# Altium PCB pinghengche.PcbDoc
Units mil, origin at the board's own origin, x right, y up, seen from the top; angles counter-clockwise.
Board outline 3905.7 x 3150.48 mil, 2 copper layers (Top Layer, Bottom Layer); 71 components, 57 nets, 253 pads, 395 vias.
Unrouted connection lines stored in the file: 54.
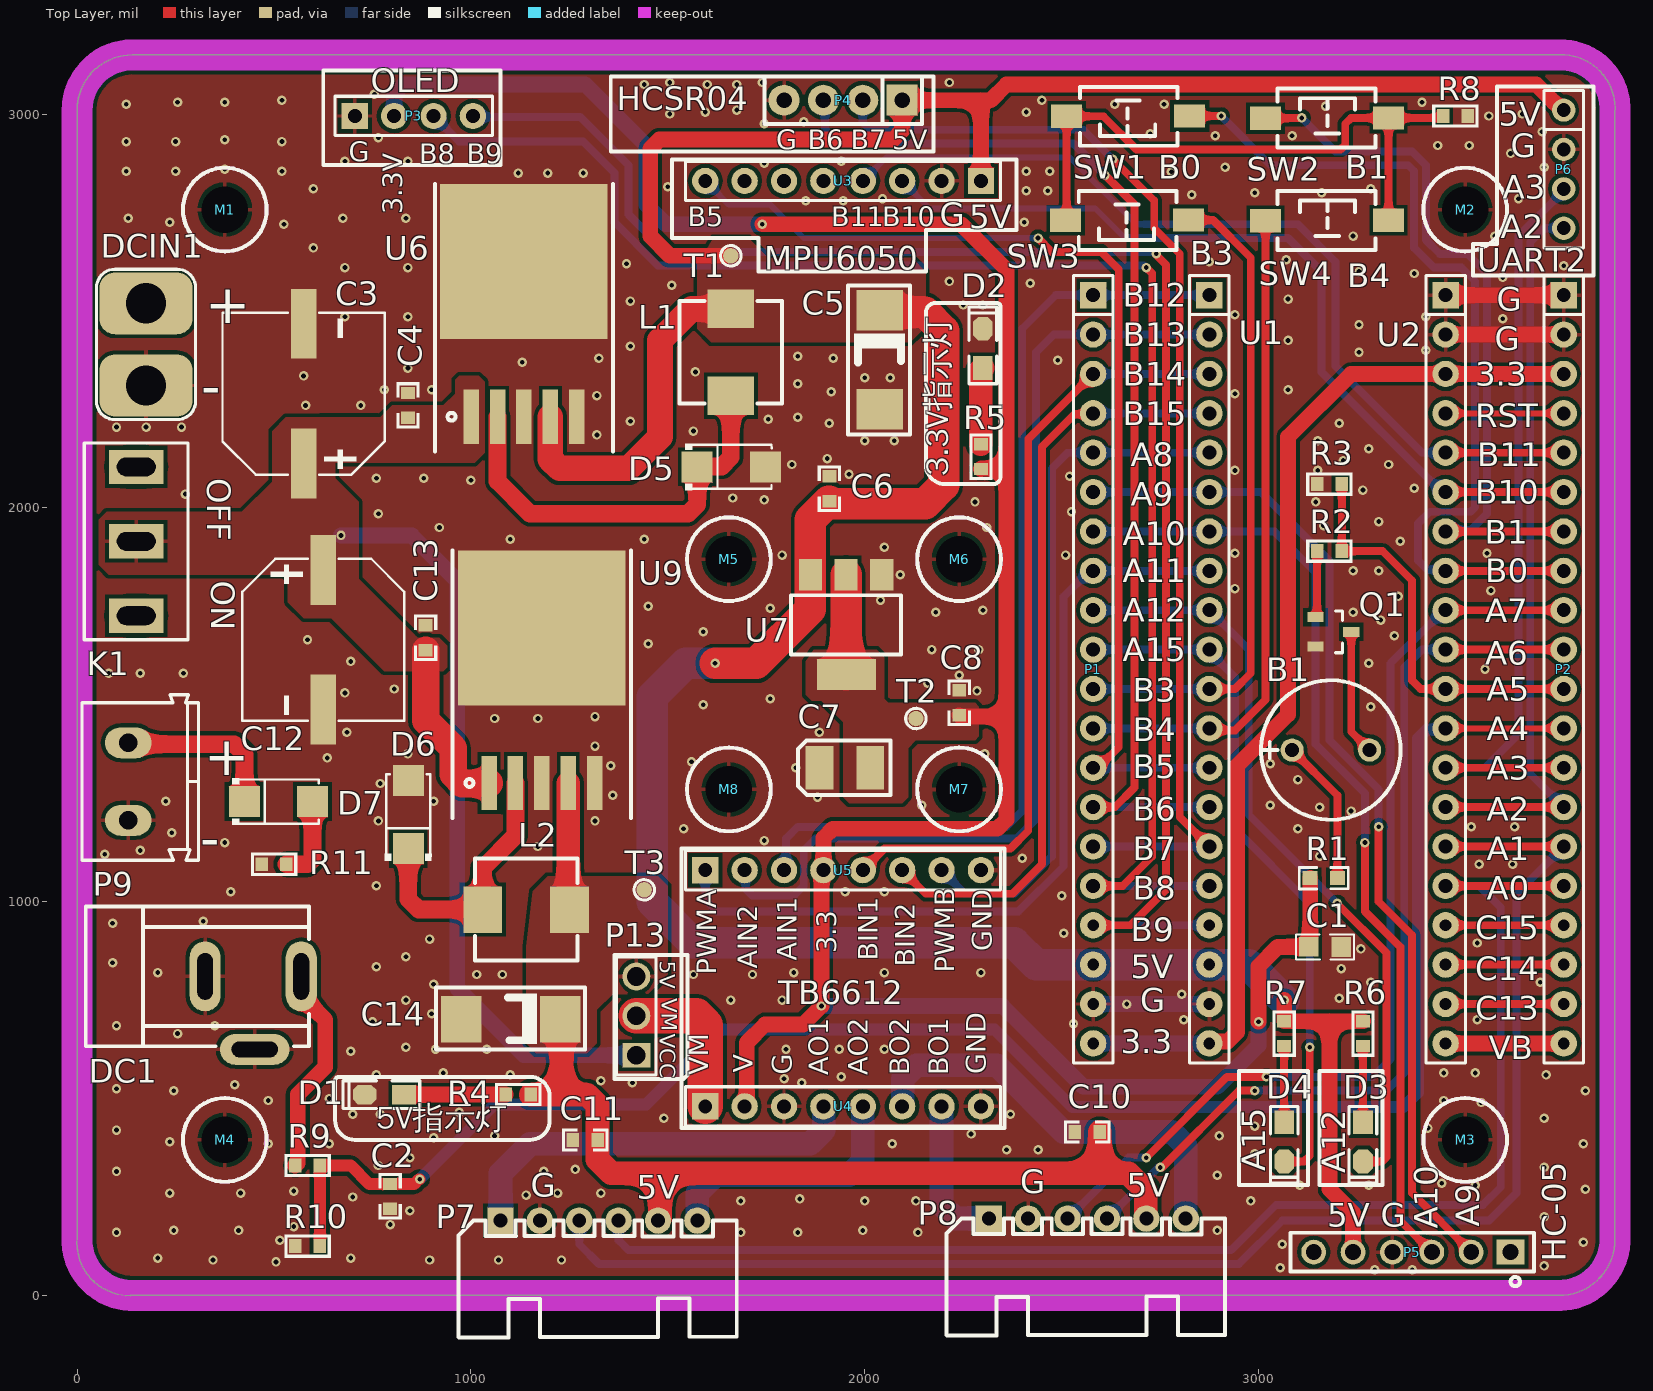
[diagram p0: Top Layer view]
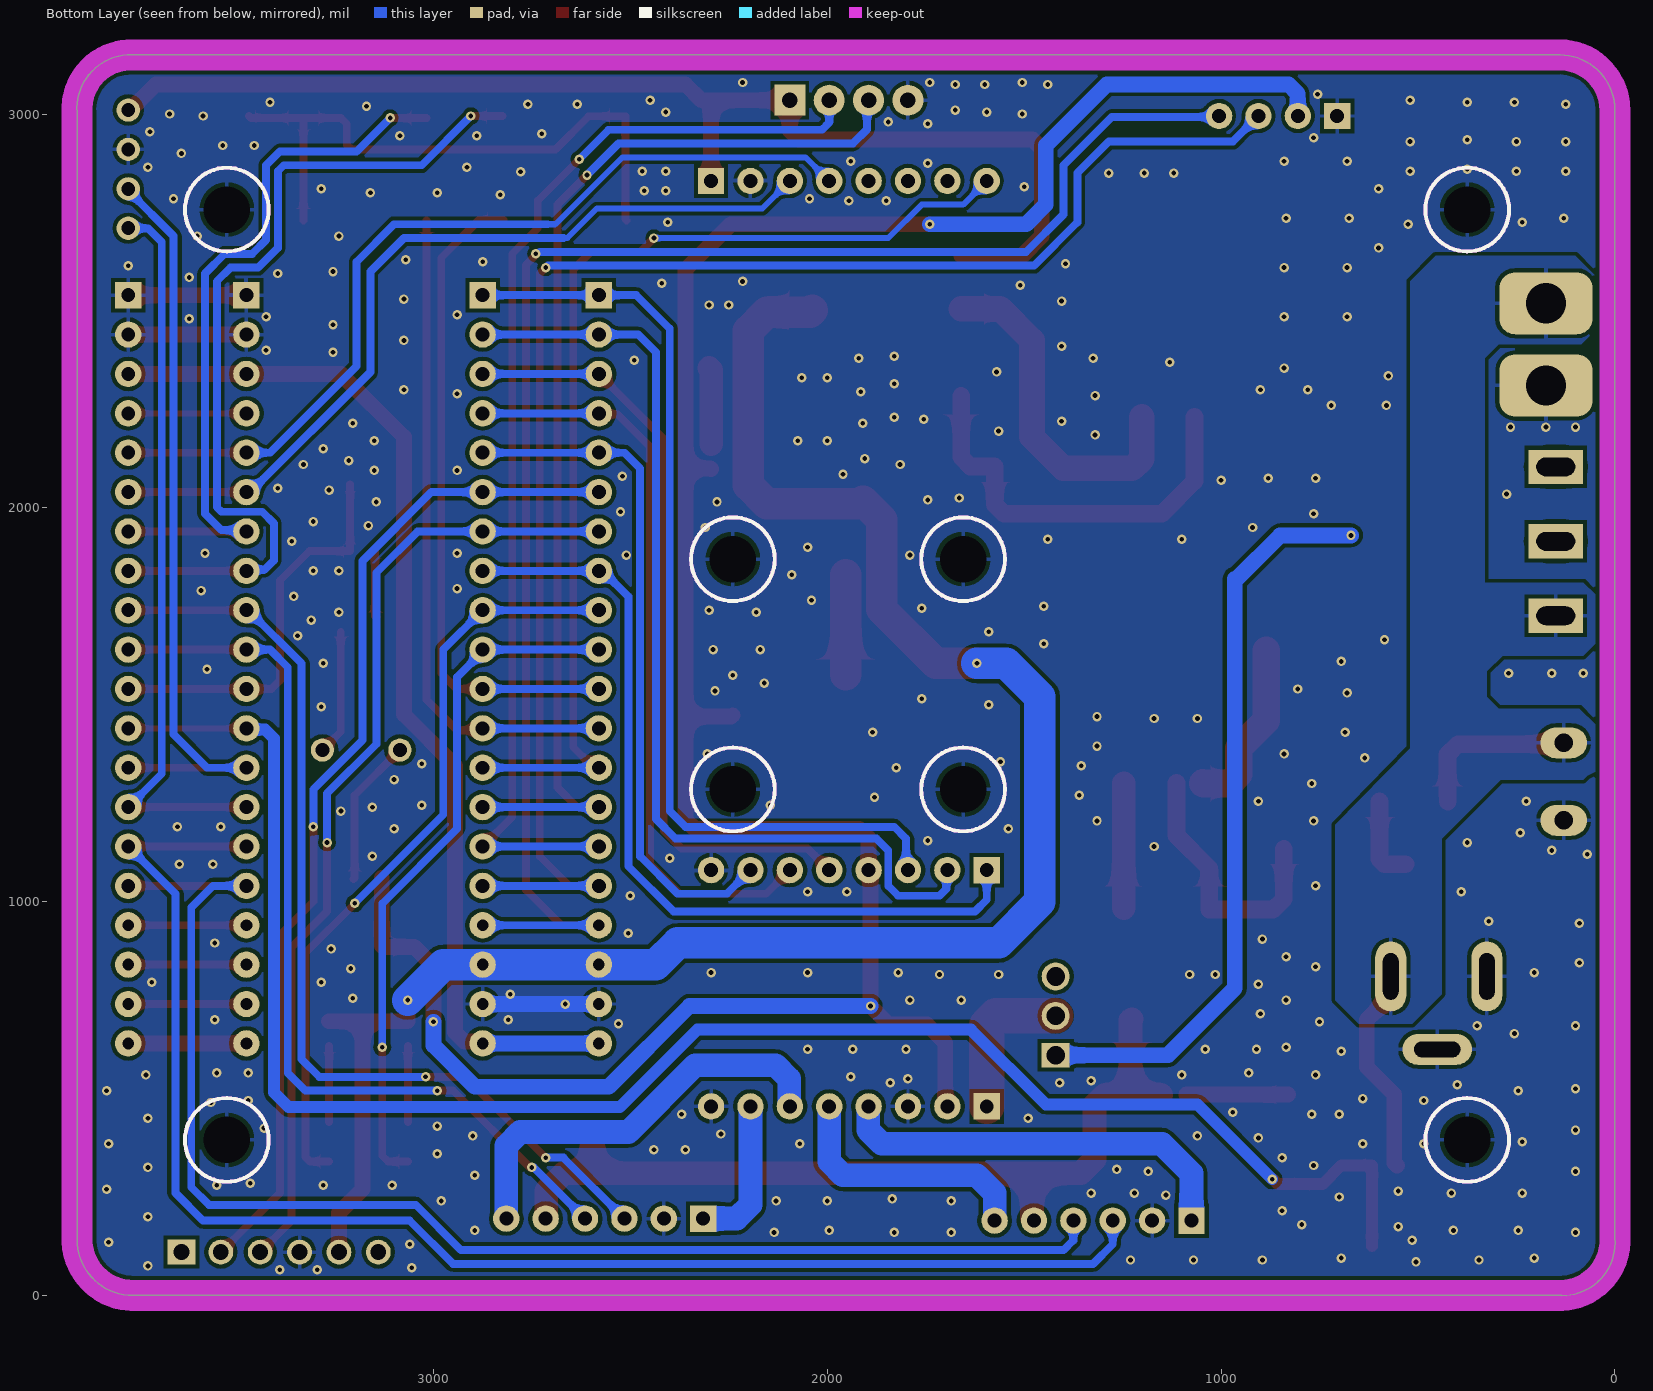
[diagram p1: Bottom Layer view, seen from below]

## Layer stack, top to bottom
Top Solder: solder mask 0.4, Solder Resist, Dk 3.5
Top Layer: signal copper 1.4
Dielectric 1: dielectric 12.6, FR-4, Dk 4.8
Bottom Layer: signal copper 1.4
Bottom Solder: solder mask 0.4, Solder Resist, Dk 3.5

## Board outline
0,145 0,3010 cw(c139.64,3010.36) 139.28,3150 3777.4,3150 cw(c3768.7,3013.7) 3905,3005 3905,142.2 cw(c3763.15,141.85) 3763.51,0 135,0 135.01,-0.48 cw(c133.6,133.6)

## Design rules (kind name [scope] priority, off if disabled: settings)
Clearance [All] p1: gap=6 ignorepadtopadclearanceinfootprint=TRUE except(8: Arc-Arc Arc-Track Track-Track; 10: Arc-Fill Arc-Poly Arc-Region Track-Fill Track-Poly Track-Region SMDPad-Fill SMDPad-Poly SMDPad-Region THPad-Fill THPad-Poly THPad-Region Via-Fill Via-Poly Via-Region Fill-Fill Fill-Poly Fill-Region Poly-Poly Poly-Region Region-Region)
HoleSize [All] p1: absolutevalues=TRUE maxlimit=300 minlimit=1 maxpercent=80.000 minpercent=20.000
PlaneConnect [All] p1: pad.planeconnectstyle=Relief pad.reliefexpansion=20 pad.reliefentries=4 pad.reliefconductorwidth=10 pad.reliefairgap=10 via.planeconnectstyle=Direct via.reliefexpansion=20 via.reliefentries=4 via.reliefconductorwidth=10 via.reliefairgap=10
PolygonConnect [All] p1: thpad.connectstyle=Relief thpad.reliefconductorwidth=10 thpad.reliefentries=4 thpad.polygonreliefangle="90 Angle" thpad.airgapwidth=10 smdpad.connectstyle=Direct smdpad.reliefconductorwidth=10 smdpad.reliefentries=4 smdpad.polygonreliefangle="90 Angle" smdpad.airgapwidth=10 via.connectstyle=Direct via.reliefconductorwidth=10 via.reliefentries=4 via.polygonreliefangle="90 Angle" via.airgapwidth=10
RoutingVias [All] p1: holewidth=12 width=24 viastyle="Through Hole" minholewidth=12 minwidth=24 maxholewidth=12 maxwidth=24
SolderMaskExpansion [All] p1: expansion=4 istentingtop=FALSE
Width PWR [InNetClass('PWR')] p1: maxlimit=120 minlimit=40 preferedwidth=45
Width [All] p2: maxlimit=60 minlimit=15 preferedwidth=20
28 further rules are at their usual default settings.

## Classes and differential pairs
net class PWR: 3.3V AO1 AO2 BO1 BO2 GND VBAT VCC VCC_3.3V VCC_5V VCC_5V_EXT VCCBAT VM

## Components (designator, comment, footprint, x,y, rotation, side; value= is the part's Value field where it differs from the comment)
B1 "BEEP" "BEEP 9x5.5mm" 3183.43,1385 r0 top
C1 "1uF" C0805 3216,885 r180 top
C2 "104P" CAPC1608[0603]S-L 795,251.5 r270 top
C3 "Cap Pol1" CAP-SMD_BD10.0-L10.3-W10.3-LS11.3-FD 575,2290 r90 top value="220uF 50V"
C4 "Cap" CAPC1608[0603]S-L 840,2260 r90 top value=0.1uF
C5 "Cap Pol1" 7343 2035,2260 r270 top value="220uF 10V"
C6 "Cap" CAPC1608[0603]S-L 1910,2048.5 r90 top value=0.1uF
C7 "Cap Pol1" C3528 1949.5,1340 r0 top value="22uF 10V"
C8 "Cap" CAPC1608[0603]S-L 2240,1505 r90 top value=0.1uF
C10 "104P" CAPC1608[0603]S-L 2565,415 r0 top
C11 "104P" CAPC1608[0603]S-L 1290,395 r0 top
C12 "Cap Pol1" CAP-SMD_BD10.0-L10.3-W10.3-LS11.3-FD 625,1665 r270 top value="220uF 50V"
C13 "Cap" CAPC1608[0603]S-L 885,1670 r90 top value=0.1uF
C14 "Cap Pol1" 7343 985,705 r180 top value="220uF 10V"
D1 "LED" "LED 0805G" 780,510 r180 top
D2 "LED" "LED 0805G" 2300,2405 r90 top
D3 "LED" "LED 0805G" 3265,390 r270 top
D4 "LED" "LED 0805G" 3065,390 r270 top
D5 "DIODE" SS34 1660,2095 r0 top
D6 "DIODE" SS34 850,1220 r90 top
D7 "DIODE" SS34 510,1245 r0 top
DC1 "HC-DC-005-2.5M" DC-005 325,810 r180 top
DCIN1 "T型插头" "Wired T-Header ThroughHole" 175,2415 r0 top
K1 "HX SS12D10G4" SS12D10 150,1915 r270 top
L1 "33uH" "0630 TPC 7*7*3" 1660,2395 r90 top
L2 "33uH" "0630 TPC 7*7*3" 1140.24,980 r0 top
M1 "MountHole" M3-MountHole 375,2757.2 r0 top
M2 "MountHole" M3-MountHole 3524.61,2757.2 r0 top
M3 "MountHole" M3-MountHole 3524.61,395 r0 top
M4 "MountHole" M3-MountHole 375,395 r0 top
M5 "MountHole" M3-MountHole 1655,1869.65 r0 top
M6 "MountHole" M3-MountHole 2239.65,1869.65 r0 top
M7 "MountHole" M3-MountHole 2239.65,1285 r0 top
M8 "MountHole" M3-MountHole 1655,1285 r0 top
P1 "MHDR1X20" HDR2.54-LI-20P 2580,1590 r270 top
P2 "MHDR1X20" HDR2.54-LI-20P 3775,1590 r270 top
P3 "OLED" OLED4p 855,2995 r0 top
P4 "HC-SR04" HC-SR04 1949,3039 r0 top
P5 "HC-05" HDR-TH_6P-P2.54-V-F 3390,110 r180 top
P6 "Header 4" HDR1X4-M 3775,3010 r270 top
P7 "MHDR1X6" XH2.54-WI-6P 1325,190 r0 top
P8 "MHDR1X6" XH2.54-WI-6P 2565,195 r0 top
P9 "KF/WJ/DG 30x connecter" "KF/WJ/DG 301-2p-5.0mm" 130,1305 r270 top
P13 "Header 3" HDR-TH_3P-P2.54-V-M-1 1420,710 r90 top
Q1 "S8050" SOT-23 3190,1685 r0 top
R1 "10R ±1%" R0603 3131,1060 r0 top value=10R
R2 "4.7K ±1%" RESC1608[0603]S-L 3180,1890 r180 top value=4.7K
R3 "10K ±1%" RESC1608[0603]S-L 3180,2060 r180 top value=10K
R4 "10K ±1%" RESC1608[0603]S-L 1120,510 r0 top value=10K
R5 "4.7K ±1%" RESC1608[0603]S-L 2295,2130 r270 top value=4.7K
R6 "10K ±1%" RESC1608[0603]S-L 3265,665 r90 top value=10K
R7 "10K ±1%" RESC1608[0603]S-L 3065,665 r90 top value=10K
R8 "10K ±1%" RESC1608[0603]S-L 3500,2995 r180 top value=10K
R9 "10K" RESC1608[0603]S-L 585,330 r180 top
R10 "4.7K" RESC1608[0603]S-L 585,125 r0 top
R11 "10K" RESC1608[0603]S-L 500,1095 r180 top
SW1 "SW-PB_V" "TSW SMD-3*6*2.5" 2667.69,2994.21 r180 top
SW2 "SW-PB_V" "TSW SMD-3*6*2.5" 3175,2990 r0 top
SW3 "SW-PB_V" "TSW SMD-3*6*2.5" 2665,2730 r180 top
SW4 "SW-PB_V" "TSW SMD-3*6*2.5" 3175,2730 r0 top
T1 "Testpoint-Pad" testpoint-pad-1mm 1660,2640 r0 top
T2 "Testpoint-Pad" testpoint-pad-1mm 2130,1465 r0 top
T3 "Testpoint-Pad" testpoint-pad-1mm 1440,1030 r0 top
U1 "C8T6-1" HDR2.54-M-LI-20P 2875,1590 r270 top
U2 "C8T6-2" HDR2.54-M-LI-20P 3475,1590 r270 top
U3 "MPU6050" HDR2.54-M-LI-8P 1945,2830 r180 top
U4 "TB6612FNG" HDR2.54-M-LI-8P 1945,480 r0 top
U5 "TB6612FNG_2" HDR2.54-M-LI-8P 1945,1080 r0 top
U6 "LM2596t-5v" LM2596-5V 995,2310 r0 top
U7 "AMS1117_3V3" SOT-223 1955,1700 r180 top
U9 "LM2596t-5v" LM2596-5V 1040.37,1379.83 r0 top

## Footprints (in the part's own frame and the unit in brackets; to place one, negate y for a bottom-side part, rotate by r counter-clockwise, add the part's x,y. Pads: shape width x height; smd on the part's side, far side on the other; paste and mask are expansions set on the pad)
"0630 TPC 7*7*3" [mm]
  rect 2.5x3 smd: 1(-2.8,0) 2(2.8,0)
  silkscreen extent -3.3,-3.3 3.3,3.3, body extent -3.3,-3.3 3.3,3.3, height 3
7343 [mm] "钽电容"
  rect 2.6x3 smd: 1(-6.148,0.083) 2(0.252,0.083)
  silkscreen extent -7.75,-1.96 1.88,2.04, body extent -6.62,-2.11 0.68,2.19, height 2
"BEEP 9x5.5mm" [mm]
  round 1.5 hole 0.9: 1(-2.5,0) 2(2.5,0)
  silkscreen extent -4.5,-4.5 4.5,4.5, body extent -4.8,-4.8 4.8,4.8, height 5.05
C0805 [mil]
  rect 50x50 smd: 1(6,0) 2(88.7,-0.1)
  silkscreen extent -26,-32 121,32, body extent 8,-24 87,25, height 30
C3528 [mil] "B型"
  rect 70.87x110 smd: 1(64.5,0) 2(-64.5,0)
  silkscreen extent -119,-69 116,69, body extent -69,-55 69,55, height 75
CAP-SMD_BD10.0-L10.3-W10.3-LS11.3-FD [mm]
  rect 4.5x1.65 smd: 1(-4.5,0) 2(4.5,0)
  silkscreen extent -5.23,-5.23 5.23,5.23
CAPC1608[0603]S-L [mm]
  rect 0.8x0.9 smd: 1(-0.8,0) 2(0.8,0)
  silkscreen extent -1.5,-0.75 1.5,0.75, body extent -0.8,-0.41 0.8,0.41, height 0.79
DC-005 [mm] "DC母座5.5mm"
  oval 2x4.5 hole 1 slot 3 at 90 deg: 1(-6.2,0) 2(0,0)
  oval 4.5x2 hole 1 slot 3 at 0 deg: 3(-3.2,4.7)
  silkscreen extent -6.7,-4.5 7.7,4.5, body extent -6.55,-4.5 7.5,4.8, height 11.25
HC-SR04 [mm] "超声波模块"
  rect 2x2 hole 1: 1(3.708,-0.102)
  round 2 hole 1: 2(1.168,-0.102) 3(-1.372,-0.102) 4(-3.912,-0.102)
  silkscreen extent -5.18,-1.63 4.98,1.42, body extent -22.35,-1.42 22.65,17.48, height 2.1
HDR1X4-M [mm]
  round 1.5 hole 0.9: 1(0,0) 2(2.54,0) 3(5.08,0) 4(7.62,0)
  silkscreen extent -1.27,-1.27 8.89,1.27, body extent -1.27,-1.27 8.89,1.27, height 8.54
HDR2.54-LI-20P [mm] "排针，20脚"
  rect 1.7x1.7 hole 0.9: 1(-24.13,0)
  round 1.7 hole 0.9: 2(-21.59,0) 3(-19.05,0) 4(-16.51,0) 5(-13.97,0) 6(-11.43,0) 7(-8.89,0) 8(-6.35,0) 9(-3.81,0) 10(-1.27,0) 11(1.27,0) 12(3.81,0) 13(6.35,0) 14(8.89,0) 15(11.43,0) 16(13.97,0)
  round 1.7 hole 0.762: 17(16.51,0) 18(19.05,0) 19(21.59,0) 20(24.13,0)
  silkscreen extent -25.4,-1.27 25.4,1.27, body extent -25.4,-1.27 25.4,1.27, height 2.54
HDR2.54-M-LI-8P [mm] "排母，8脚"
  rect 1.7x1.7 hole 0.9: 1(-8.89,0)
  round 1.7 hole 0.9: 2(-6.35,0) 3(-3.81,0) 4(-1.27,0) 5(1.27,0) 6(3.81,0) 7(6.35,0) 8(8.89,0)
  silkscreen extent -10.16,-1.27 10.16,1.27, body extent -10.16,-1.27 10.16,1.27, height 8.5
HDR2.54-M-LI-20P [mm] "排母，20脚"
  rect 1.7x1.7 hole 0.9: 1(-24.13,0)
  round 1.7 hole 0.9: 2(-21.59,0) 3(-19.05,0) 4(-16.51,0) 5(-13.97,0) 6(-11.43,0) 7(-8.89,0) 8(-6.35,0) 9(-3.81,0) 10(-1.27,0) 11(1.27,0) 12(3.81,0) 13(6.35,0) 14(8.89,0) 15(11.43,0) 16(13.97,0)
  round 1.7 hole 0.762: 17(16.51,0) 18(19.05,0) 19(21.59,0) 20(24.13,0)
  silkscreen extent -25.4,-1.27 25.4,1.27, body extent -25.4,-1.27 25.4,1.27, height 8.5
HDR-TH_3P-P2.54-V-M-1 [mm]
  rect 1.575x1.8 hole 1.2: 1(-2.54,0)
  round 1.8 hole 1.2: 2(0,0) 3(2.54,0)
  silkscreen extent -3.81,-1.27 3.81,1.27
HDR-TH_6P-P2.54-V-F [mm]
  rect 1.8x1.6 hole 1.02: 1(-6.35,0)
  round 1.6 hole 1.02: 2(-3.81,0) 3(-1.27,0) 4(1.27,0) 5(3.81,0) 6(6.35,0)
  silkscreen extent -7.85,-1.25 7.85,2.2
"KF/WJ/DG 301-2p-5.0mm" [mm]
  oval 2x3 hole 1.2: 1(2.5,0) 2(-2.5,0)
  silkscreen extent -5.6,-3 5.08,4.52, body extent -5.6,-3 5,4.6, height 10
"LED 0805G" [mil] "绿色0805LED"
  rect 60x50 smd: 1(-50,0)
  oct 60x50 smd: 2(50,0)
  silkscreen extent -90,-35 105,35, body extent -39,-25 39,25, height 32
LM2596-5V [mm]
  rect 1x3.5 smd: 1(0.147,-1.995) 2(1.847,-1.995) 3(3.547,-1.995) 4(5.247,-1.995) 5(6.947,-1.995)
  rect 10.8x10 smd: 6(3.547,8.005)
  silkscreen extent -2.2,-4.24 9.3,13.01, body extent -1.53,-2.24 8.63,11.77, height 4.56
M3-MountHole [mm]
  rect 0x0 hole 3 unplated: 1(0,0)
  Keep-Out Layer circle w0.254: c0,0 r2.7
  silkscreen extent -2.7,-2.7 2.7,2.7
OLED4p [mm] "排母，4脚"
  rect 1.7x1.7 hole 0.9: 1(-3.81,0)
  round 1.7 hole 0.9: 2(-1.27,0) 3(1.27,0) 4(3.81,0)
  silkscreen extent -5.08,-1.27 5.08,1.27, body extent -13.35,-26.84 13.35,1.27, height 10.47
R0603 [mil] "1/10W"
  rect 38x35 smd: 1(0,0) 2(69,0)
  silkscreen extent -28,-28 97,27, body extent 4,-16 66,16, height 18
RESC1608[0603]S-L [mm]
  rect 0.8x0.9 smd: 1(-0.8,0) 2(0.8,0)
  silkscreen extent -1.5,-0.75 1.5,0.75, body extent -0.8,-0.4 0.8,0.4, height 0.45
SOT-23 [mm]
  rect 1.05x0.65 smd: 1(-1.15,0.95) 2(-1.15,-0.95) 3(1.15,0)
  silkscreen extent 0.13,-1.35 0.58,1.35, body extent -1.4,-1.45 1.4,1.45, height 1.2
SOT-223 [mil]
  rect 59x79 smd: 1(-88,-130) 2(2.55,-130) 3(93.1,-130)
  rect 150x79 smd: 2(1.88,123.54)
  silkscreen extent -137,-78 143,72, body extent -126,-139 130,135, height 67
SS12D10 [mm]
  rect 2.2x3.5 hole 2.5 slot 1.2 at 0 deg mask+0.07: 1(-4.8,0) 2(0,0) 3(4.8,0)
  silkscreen extent -6.35,-3.35 6.35,3.35, body extent -6.4,-3.3 6.35,3.8, height 12.5
SS34 [mm]
  rect 2x2 smd mask+0.051: 1(2.225,0.233) 2(-2.175,0.233)
  silkscreen extent -2.96,-1.27 2.63,1.73
testpoint-pad-1mm [mm]
  round 1 smd: 1(0,0)
  silkscreen extent -0.66,-0.66 0.66,0.66
"TSW SMD-3*6*2.5" [mm] "3*6*2.5mm"
  rect 2x1.5 smd: 1(-3.996,-0.02) 2(3.937,0)
  silkscreen extent -3.21,-1.9 3.09,1.9, body extent -4,-1.88 4,1.62, height 2.59
"Wired T-Header ThroughHole" [mm]
  rrect50% 6x4 hole 2.6: 1(0,2.65) 2(0,-2.65)
  silkscreen extent -3.2,-4.85 3.2,4.85
XH2.54-WI-6P [mm] "接插件，6P"
  rect 1.7x1.7 hole 0.9: 1(-6.35,0)
  round 1.7 hole 0.9: 2(-3.81,0) 3(-1.27,0) 4(1.27,0) 5(3.81,0) 6(6.35,0)
  silkscreen extent -9.07,-7.53 8.89,0, body extent -8.86,-7.45 8.84,0.25, height 2.89

## Part data
B1: "蜂鸣器"
C1: library part "1uF 080516V X7R", "贴片电容0805", Revision=V1.0
C2 C10 C11: library part C, "0.1uf 贴片电容/MLCC电容", BOM名称=无极性贴片电容, 联系卖家，免费查找封装=唯一出售店铺网址https://shop463601444.taobao.com
C3 C5 C7 C12 C14: "Polarized Capacitor (Radial)", LatestRevisionDate=17-Jul-2002, LatestRevisionNote="Re-released for DXP Platform.", PackageReference=RB7.6-15, Published=8-Jun-2000, Publisher="Altium Limited"
C4 C6 C8 C13: "Capacitor", LatestRevisionDate=17-Jul-2002, LatestRevisionNote="Re-released for DXP Platform.", PackageReference=RAD-0.3, Published=8-Jun-2000, Publisher="Altium Limited"
D1 D2 D3 D4: "0805"
DC1: JLCPCB Part Class=ExtendedPart, Manufacturer=HCTL(华灿天禄), 3DModel=DC-IN-TH_KH-DC-005-2.5, Add into BOM=yes, Convert to PCB=yes, Device=HC-DC-005-2.5M, link=https://atta.szlcsc.com/upload/public/pdf/source/20210716/C2847170_7F0110A0BEDEE81C68B76DF87AC8DA16.pdf, Manufacturer Part=HC-DC-005-2.5M, Name=HC-DC-005-2.5M, Origin Footprint=DC-IN-TH_KH-DC-005-2.5, Supplier=LCSC, Supplier Part=C3010535, Symbol=HC-DC-005-2.5M
DCIN1: library part T_Header
K1: "单刀三档开关", JLCPCB Part Class="Extended Part", LCSC Part Name="拨动开关 立式两档拨动,单排3脚插件,12.7x6.7x6.4,黑柄4mm", Manufacturer=hanxia(韩下), Add into BOM=yes, Convert to PCB=yes, Datasheet=https://atta.szlcsc.com/upload/public/pdf/source/20220907/2020D7183ED16DD6E2B9F5A13FB144CF.pdf, Device="HX SS12D10G4", Manufacturer Part="HX SS12D10G4", Name="HX SS12D10G4", Supplier=LCSC, Supplier Footprint=插件, Supplier Part=C5149841, Symbol="HX SS12D10G4"
L1 L2: library part Inductor
M1 M2 M3 M4 M5 M6 M7 M8: "固定孔"
P1 P2: "Header, 20-Pin", LatestRevisionDate=17-Jul-2002, LatestRevisionNote="Re-released for DXP Platform.", Publisher="Altium Limited"
P3: library part 0.96OLED, "0.96寸OLED屏，GND开头"
P4: "超声波HC-SR04"
P5: "HC-05 这里只用到了其4个管脚"
P6: "Header, 4-Pin", LatestRevisionDate=17-Jul-2002, LatestRevisionNote="Re-released for DXP Platform.", Publisher="Altium Limited"
P7 P8: "Header, 6-Pin", LatestRevisionDate=17-Jul-2002, LatestRevisionNote="Re-released for DXP Platform.", Publisher="Altium Limited"
P9: library part "KF/WJ/DG 30x", "接线端子 2Pin"
P13: "Header, 3-Pin", LatestRevisionDate=17-Jul-2002, LatestRevisionNote="Re-released for DXP Platform.", Publisher="Altium Limited"
Q1: library part "NPN S8050", "Discrete NPN Bipolar Transistor", PartNumber=S8050, Price(RMB)=0.000, Published=8-Jun-2000, Publisher="Altium Limited", Revision="July-2002: Re-released for DXP Platform."
R1: library part Res-Chip_10, "贴片电阻", Tolerance=±1%, Published=8-Jun-2000, Revision="July-2002: Re-released for DXP Platform."
R2 R5: library part Res-Chip_9, "贴片电阻", Power=1/8W, Tolerance=±1%, Revision=V1.0
R3 R4 R6 R7 R8: library part Res-Chip, "贴片电阻", Power=1/8W, Tolerance=±1%, Revision=V1.0
R9 R10 R11: library part R, "贴片电阻", BOM名称=贴片电阻, 联系卖家，免费查找封装=唯一出售店铺网址https://shop463601444.taobao.com
SW1 SW2 SW3 SW4: "SWITCH"
T1 T2 T3: library part Testpoint-Pad-S, "测试点，就是个焊盘"
U1 U2: "stm32f103c8t6扩展接口"
U3: "MPU6050陀螺仪"
U4: library part TB6612FNG_1, "电机驱动", 联系卖家 免费查找封装=唯一出售店铺网址https://shop463601444.taobao.com
U6 U9: library part LM2596, "Simple Switcher 3A Step Down Voltage Regulator", Package Reference=TS5B, Datasheet="Latest Revision: Jun-1999", Note="Tab is connected to GND", Published=15-Apr-2002, Publisher="Altium Limited"
U7: library part AMS1117_1, "3.3V电压转换器AMS1117"

## Via types
v1: diameter 24, hole 12, Top Layer to Bottom Layer, tented both sides, 395 vias

## Nets (pads, with @x,y where several pads share a name; then routed paths per layer and width w, separated by ;. In a path a pad name is that pad's centre, name@x,y a point inside that pad or via, vN(x,y) a via of type N, cw(c..) or ccw(c..) an arc to the next point about the centre after c; other vN are vias at no path point)
3.3V: P1.20 P2.3 U1.20 U2.3 | length 2708.5
  Top Layer w40: U1.20 2880,645 2921.57,645 2945,668.43 2945,1345 3075,1475 3075,2180 3235,2340 U2.3 P2.3
  Bottom Layer w40: P1.20 U1.20
A0: P2.16 P7.4 U2.16 | length 3539.4
  Top Layer w20: U2.16 P2.16
  Bottom Layer w20: P7.4 1375,140 1400,115 2930,115 3045,230 3570,230 3615,275 3615,985 3560,1040 U2.16
A1: P2.15 P7.3 U2.15 | length 3765
  Top Layer w20: U2.15 P2.15
  Bottom Layer w20: P7.3 1275,130 1325,80 2950,80 3060,190 3585,190 3655,260 3655,1020 P2.15
A2: P2.14 P6.4 U2.14 | length 1869.7
  Top Layer w20: U2.14 P2.14
  Bottom Layer w20: P2.14 3690,1325 3690,2675 3725,2710 P6.4
A3: P2.13 P6.3 U2.13 | length 1952.8
  Top Layer w20: U2.13 P2.13
  Bottom Layer w20: U2.13 3575,1340 3660,1425 3660,2690 3775,2805 P6.3
A4: C2.1 P2.12 R9.1 R10.2 U2.12 | length 4552.1
  Top Layer w15: U2.12 P2.12
  Top Layer w30: R10.2 R9.1 695,330 742.01,282.99 C2.1 855.56,282.99 867.56,295 v1(870,295)
  Bottom Layer w30: v1(870,295) 1060,485 1445,485 1635,675 2330,675 2526.71,478.29 3367.7,478.29 3405,515.59 3405,1415 3427.02,1437.02 3472.02,1437.02 U2.12
A5: P2.11 R2.1 R3.1 U2.11 | length 1026.8
  Top Layer w20: R3.1 R2.1 3315,1890 3390,1815 3390,1561.72 3411.54,1540.18 3474.82,1540.18 U2.11 P2.11
A6: P2.10 P8.4 U2.10 | length 2361.9
  Top Layer w20: v1(2750,325) 2755,325 2950,520 v1(2990,520) ; U2.10 P2.10
  Bottom Layer w20: P8.4 2745,325 v1(2750,325) ; v1(2990,520) 3325,520 3370,565 3370,1595 3415,1640 U2.10
A7: P2.9 P8.3 U2.9 | length 2488.7
  Top Layer w20: v1(2715,350) 2920,555 v1(3020,555) ; U2.9 P2.9
  Bottom Layer w20: P8.3 2670,350 v1(2715,350) ; v1(3020,555) 3290,555 3335,600 3335,1605 3470,1740 U2.9
A8: P1.5 U1.5 U5.7 | length 1745.8
  Bottom Layer w20: U5.7 2255,1020 2380,1020 2475,1115 2475,2100 2515,2140 U1.5
A9: P1.6 P5.2 U1.6 | length 2576.7
  Top Layer w20: v1(3305,1190) 3305,1000 3390,915 3390,260 P5.2
  Bottom Layer w20: P1.6 U1.6 3005.24,2040 3180,1865.24 3180,1410 3305,1285 v1(3305,1190)
A10: P1.7 P5.3 U1.7 | length 2455.7
  Top Layer w20: v1(3270,1150) 3270,975 3360,885 3360,190 P5.3
  Bottom Layer w20: P1.7 U1.7 3040,1940 3145,1835 3145,1400 3270,1275 v1(3270,1150)
A11: P1.8 U1.8 U5.1 | length 2127
  Bottom Layer w20: U5.1 1595,1005 1625,975 2390,975 2505,1090 2505,1775 2570,1840 U1.8
A12: D3.2 P1.9 U1.9 | length 1934.5
  Top Layer w20: v1(3200,995.62) 3200,995 3325,870 3325,351.72 3313.28,340 D3.2
  Bottom Layer w20: P1.9 U1.9 2975,1640 2975,1220.62 v1(3200,995.62)
A15: D4.2 P1.10 U1.10 | length 1756.8
  Top Layer w20: D4.2 3115,340 3130,355 v1(3130,630)
  Bottom Layer w20: P1.10 U1.10 2875,1635 2940,1570 2940,1185 3130,995 v1(3130,630)
AO1: P7.1 U4.4 | length 1047.4
  Bottom Layer w60: P7.1 1075,310 1150,385 1861.18,385 1896.33,420.15 1896.33,478.67 U4.4
AO2: P7.6 U4.5 | length 663.1
  Bottom Layer w60: P7.6 1575,260 1620,305 1959.85,305 1995,340.15 U4.5
B0: P2.8 SW1.1 U2.8 | length 2223.1
  Top Layer w20: SW1.1 v1(2905,2995) ; U2.8 P2.8
  Bottom Layer w20: v1(2905,2995) 3030,2870 3380,2870 3395,2855 3395,2660 3445,2610 3515,2610 3550,2575 3550,2001.72 3538.28,1990 3435,1990 3405,1960 3405,1866.72 3428.48,1843.24 3471.76,1843.24 U2.8
B1: P2.7 SW2.1 U2.7 | length 1871.2
  Top Layer w20: SW2.1 3018.08,2989.61 3109.61,2989.61 v1(3110,2990) ; U2.7 P2.7
  Bottom Layer w20: v1(3110,2990) 3195,2905 3390,2905 3425,2870 3425,2680 3460,2645 3530,2645 3580,2595 3580,1985 3538.46,1943.46 3478.46,1943.46 U2.7
B3: P1.11 SW3.1 U1.11 | length 1668.9
  Top Layer w20: SW3.1 2884.21,2730.79 2980,2635 2980,1580 2940,1540 U1.11
  Bottom Layer w20: P1.11 U1.11
B4: P1.12 SW4.1 U1.12 | length 1688.5
  Top Layer w20: U1.12 2880,1435 2940,1435 3017.69,1512.69 SW4.1
  Bottom Layer w20: P1.12 U1.12
B5: P1.13 U1.13 U3.8 | length 2730.5
  Top Layer w20: v1(2440,2685) 2475,2650 2600,2650 2645,2605 2645,1392.3 2592.7,1340 P1.13
  Bottom Layer w15: U3.8@1600,2825 1655,2770 1760,2770 1845,2685 v1(2440,2685)
  Bottom Layer w20: P1.13 U1.13
B6: P1.14 P4.3 U1.14 | length 2841.5
  Top Layer w20: P1.14 2635,1240 2685,1290 2685,2770 v1(2610,2845)
  Bottom Layer w20: P4.3 1899.05,3030.95 1899.05,2960.95 1935,2925 2530,2925 v1(2610,2845) ; P1.14 U1.14
B7: P1.15 P4.2 U1.15 | length 2871.8
  Top Layer w20: v1(2630,2885) 2735,2780 2735,2710 2800,2645 2800,1215 U1.15
  Bottom Layer w20: P4.2 1995,2978.27 2001.55,2971.72 2013.27,2960 2555,2960 v1(2630,2885) ; P1.15 U1.15
B8: P1.16 P3.3 U1.16 | length 4020
  Top Layer w20: P1.16 2655,1040 2730,1115 2730,2595 v1(2715,2610)
  Bottom Layer w20: P3.3 970,2930 1285,2930 1365,2850 1365,2725 1475,2615 2708.92,2615 2713.92,2610 v1(2715,2610) ; P1.16 U1.16
B9: P1.17 P3.4 U1.17 | length 4083.8
  Top Layer w20: P1.17 2675,940 2765,1030 2765,2617.3 2742,2640.3 2742,2641.92 2740,2643.92 v1(2740,2645)
  Bottom Layer w20: P3.4 1007.5,2992.5 1277.5,2992.5 1400,2870 1400,2745 1495,2650 v1@2730,2650 ; P1.17 U1.17
B10: P2.6 U2.6 U3.3 | length 2156.6
  Top Layer w20: U2.6 P2.6
  Bottom Layer w15: U3.3 2165,2760 2585,2760 2660,2685 2670,2685
  Bottom Layer w20: 2670,2685 3075,2685 3160,2600 3160,2345 3465,2040 U2.6
B11: P2.5 U2.5 U3.4 | length 2278
  Top Layer w20: U2.5 P2.5
  Bottom Layer w15: U3.4 2055,2890 2520,2890 2690,2720 2710,2720
  Bottom Layer w20: U3.4@1989.85,2835.15 U3.4 ; 2710,2720 3100,2720 3195,2625 3195,2360 3415,2140 U2.5
B12: P1.1 U1.1 U5.3 | length 2446.3
  Bottom Layer w20: U5.3@1800,1085 1800,1160 1830,1190 2360,1190 2400,1230 2400,2455 2485,2540 P1.1 U1.1
  Bottom Layer w40: U5.3 U5.3@1800,1085
B13: P1.2 U1.2 U5.2 | length 2570.4
  Bottom Layer w20: U5.2 1697.38,1077.62 1697.38,1032.62 1715,1015 1820,1015 1845,1040 1845,1130 1875,1160 2385,1160 2435,1210 2435,2395 2480,2440 P1.2 U1.2
B14: P1.3 U1.3 U5.5 | length 1984.8
  Top Layer w20: U5.5 2050,1135 2370,1135 2415,1180 2415,2175 P1.3
  Bottom Layer w20: P1.3 U1.3
B15: P1.4 U1.4 U5.6 | length 1931.1
  Top Layer w20: U5.6 2155,1020 2375,1020 2450,1095 2450,2155 2532.62,2237.62 2577.62,2237.62 P1.4
  Bottom Layer w20: P1.4 U1.4
BO1: P8.1 U4.7 | length 384.4
  Bottom Layer w60: U4.7 2195,230.15 2230.15,195 P8.1
BO2: P8.6 U4.6 | length 1073.5
  Bottom Layer w60: U4.6 2096.33,481.33 2096.33,549.85 2131.47,585 2335,585 2505,415 2779.85,415 2815,379.85 P8.6
GND: C1.1 C2.2 C3.2 C4.2 C5.2 C6.2 C7.2 C8.2 C10.1 C11.1 C12.2 C13.2 C14.2 D1.2 D2.2 D5.1 D6.1 DC1.2 DC1.3 DCIN1.2 M1.1 M2.1 M3.1 M4.1 M5.1 M6.1 M7.1 M8.1 P1.19 P2.1 P2.2 P3.1 P4.4 P5.4 P6.2 P7.2 P8.2 P9.1 Q1.2 R3.2 R8.1 R10.1 R11.2 U1.19 U2.1 U2.2 U3.2 U4.3 U4.8 U5.8 U6.3 U6.5 U6.6 U7.1 U9.3 U9.5 U9.6 | length 895
  Top Layer w40: U2.2 P2.2 ; U2.1 P2.1
  Bottom Layer w40: P1.19 U1.19
  other v1: 3295,65 3390,65 3055,70 3725,75 505,85 345,90 895,90 1070,90 1230,90 205,95 695,95 3060,130 3825,135 515,140 100,160 1685,160 1830,160 2135,160 245,165 410,165 1995,165 2895,165 550,175 795,180 3725,200 845,215 1685,240 2000,240 2130,240 2980,240 1835,245 700,250 1140,255 235,260 415,260 1220,260 1330,260 550,265 3830,270 3105,280 3280,280 3550,280 3465,285 2895,305 100,315 1185,315 1265,320 3725,325 765,330 845,350 2990,360 2360,370 2440,370 485,385 640,385 2070,385 3825,385 235,390 905,400 1060,405 2900,405 2270,410 100,420 3430,425 2990,430 1490,450 3725,450 700,460 770,460 2370,460 970,465 3565,490 485,495 3470,495 640,500 245,520 3830,520 100,525 400,535 1410,540 1840,540 1330,545 1795,550 1940,555 760,560 1100,560 3730,560 930,565 3470,565 3550,565 695,620 910,625 1040,625 1800,625 1935,625 2050,625 835,630 255,665 100,685 350,685 2530,690 750,695 2810,700 3555,700 900,715 2665,740 835,750 1660,750 1790,750 3205,755 2805,765 905,790 3285,795 3715,795 1015,815 1080,815 1565,815 1715,815 205,820 1820,820 2050,820 2295,820 3210,830 760,835 90,845 835,860 3260,880 3555,895 895,905 2505,920 90,945 320,950 2500,1015 390,1025 1950,1025 2050,1025 760,1040 3560,1095 3645,1095 2400,1110 3155,1115 70,1120 160,1130 1170,1140 375,1150 1745,1155 240,1175 1540,1185 3100,1185 3540,1190 3650,1190 765,1205 1315,1205 3235,1230 3155,1240 2145,1245 3030,1245 225,1255 905,1255 1880,1265 1360,1270 770,1300 3100,1310 1825,1340 1355,1345 3030,1350 1560,1355 635,1365 840,1375 2305,1375 1315,1395 685,1430 1885,1430 1060,1465 1170,1465 1315,1470 3285,1495 1590,1500 1760,1515 680,1530 2285,1535 805,1540 2160,1555 2240,1575 80,1580 160,1580 270,1580 3575,1590 3280,1605 695,1610 2170,1640 2290,1640 1450,1655 585,1665 3345,1675 1590,1685 3310,1715 2180,1735 3240,1735 2300,1740 1760,1745 1450,1750 2040,1765 3355,1775 3590,1790 2940,1795 2090,1830 3240,1840 3305,1840 1790,1880 2510,1880 2940,1885 3580,1885 2050,1900 3360,1915 1100,1920 1440,1920 920,1950 2310,1950 3165,1955 3305,1965 765,1985 2525,1990 2280,2015 3145,2015 1745,2020 1665,2025 275,2035 3265,2045 3395,2050 1000,2070 760,2075 880,2075 2520,2080 1960,2085 2940,2095 3150,2095 1815,2110 3330,2110 3215,2120 1905,2125 3280,2150 2000,2170 2075,2170 3150,2170 1320,2185 1565,2195 100,2205 175,2205 265,2205 1910,2215 3205,2215 1405,2220 1755,2225 1830,2230 580,2260 720,2260 1320,2285 2940,2290 1915,2295 780,2300 900,2300 3075,2300 1830,2315 2000,2330 2065,2330 575,2335 1570,2345 840,2355 1130,2370 2490,2375 1325,2380 1920,2380 1830,2385 3255,2395 3425,2400 1405,2410 3075,2425 3255,2465 3620,2480 680,2485 840,2485 3425,2485 2940,2490 2250,2515 2300,2515 1405,2525 3075,2530 1510,2565 2420,2570 2215,2575 3620,2585 3395,2595 3255,2600 680,2610 840,2610 3775,2615 1395,2620 2875,2625 3070,2630 600,2660 3240,2690 3600,2690 525,2720 235,2725 2405,2725 130,2735 675,2735 835,2735 1850,2780 1945,2780 2045,2785 3660,2785 2830,2795 2990,2800 3160,2800 2410,2805 2465,2805 600,2810 3285,2810 1500,2815 1120,2850 1195,2850 1285,2850 2778.84,2853.44 125,2855 250,2855 520,2855 2410,2855 2470,2855 375,2860 2915,2865 3725,2865 1745,2875 680,2880 840,2880 1940,2880 3640,2900 3455,2920 3535,2920 125,2930 250,2930 520,2930 375,2935 765,2940 2890,2945 3085,2945 2725,2950 3720,2955 1745,2975 1845,2980 3585,2995 1505,3000 3670,3000 1595,3005 2410,3005 1675,3010 3170,3020 125,3025 2635,3025 2760,3025 255,3030 375,3030 3415,3030 520,3035 2450,3035 755,3050 1440,3075 1600,3075 1675,3075 1505,3080 1740,3080 2215,3080
NetB1_1: B1.1 R1.2 | length 379.7
  Top Layer w20: B1.1@3082.5,1382.5 B1.1 3200,1270 R1.2 R1.2@3202.5,1057.5
NetB1_2: B1.2 Q1.3 | length 319.3
  Top Layer w20: Q1.3 3235.28,1431.58 B1.2
NetD1_1: D1.1 R4.1 | length 258.5
  Top Layer w40: D1.1 R4.1
NetD2_1: D2.1 R5.1 | length 195.6
  Top Layer w60: R5.1 2295,2350 D2.1
NetD3_1: D3.1 R6.1 | length 193.5
  Top Layer w20: D3.1 R6.1
NetD4_1: D4.1 R7.1 | length 193.5
  Top Layer w20: D4.1 R7.1
NetD5_2: D5.2 L1.1 U6.2 | length 1062.4
  Top Layer w45: U6.2 1067.7,2067.3 1150,1985 1550.94,1985 1574.37,2008.43 D5.2 1575.21,2105 1636.57,2105 1660,2128.43 L1.1
NetD6_2: D6.2 L2.1 U9.2 | length 683.8
  Top Layer w45: D6.2 840.84,1006.36 867.2,980 L2.1 1030,1085 1113.07,1168.07 U9.2
NetD7_1: D7.1 R11.1 | length 217.9
  Top Layer w45: R11.1 585,1095 597.59,1107.59 D7.1
NetQ1_1: Q1.1 R2.2 | length 169.7
  Top Layer w20: Q1.1 3145.71,1722.4 3148.5,1725.2 R2.2
NetR8_2: R8.2 SW1.2 SW2.2 SW3.2 SW4.2 | length 1582.4
  Top Layer w20: SW3.2 2512.69,2732.69 SW1.2 2605.79,2994.21 2690,2910 3208.28,2910 3220,2921.72 3220,2975 3235,2990 SW2.2 ; SW4.2 SW2.2 ; R8.2 3463.5,2990 SW2.2
OSC32_IN: P2.18 U2.18 | length 300
  Top Layer w20: U2.18 P2.18
OSC32_OUT: P2.17 U2.17 | length 300
  Top Layer w20: U2.17 P2.17
RESET: P2.4 U2.4 | length 300
  Top Layer w15: U2.4 P2.4
TAMPER-RTC: P2.19 U2.19 | length 300
  Top Layer w20: U2.19 P2.19
VBAT: P2.20 U2.20 | length 300
  Top Layer w40: U2.20 P2.20
VCC: C3.1 C4.1 C12.1 C13.1 K1.2 P13.1 U6.1 U9.1 | length 2352
  Top Layer w70: C13.1 885,1460 955,1390 955,1323.43 978.43,1300 1045.83,1300 1046.14,1300.31 U9.1
  Bottom Layer w40: v1(670,1930) 850,1930 960,1820 965,1820 965,780 1135,610 P13.1
VCC_3.3V: C1.2 C7.1 C8.1 P3.2 R1.1 R5.2 T2.1 U4.2 U5.4 U7.2 | length 6810.2
  Top Layer w40: U4.2 1700.15,485.15 1700.15,641.57 1746.87,688.28 1843.28,688.28 v1(1890,735) 1890,1075 U5.4 1895,1161.57 1918.43,1185 2336.57,1185 2360,1208.43 2360,1470 ; v1(1740,2720) 2245,2720 2360,2605 2360,2100 ; C8.1 2243.5,1470 2360,1470 ; R5.2 2296.5,2100 2360,2100 ; v1(3000,695) 3000,836.08 3049.02,885.1 C1.2 3131,888.8 R1.1 ; 2360,1470 2360,2100
  Top Layer w80: U7.2@1952.45,1830 1952.45,1576.96 1952.95,1576.46 U7.2@1953.12,1576.46
  Bottom Layer w40: P3.2 805,3051.57 828.43,3075 1290,3075 1445,2920 1445,2770 1495,2720 v1(1740,2720) ; v1(1890,735) 2350,735 2555,530 2895,530 3000,635 v1(3000,695)
VCC_5V: C10.2 C11.2 C14.1 L2.2 P7.5 P8.5 P13.3 R4.2 T3.1 U9.4 | length 2558.7
  Top Layer w40: U9.4 U9.4@1247.24,1300.98 ; L2.2@1247.24,983.23 L2.2
  Top Layer w60: R4.2 1230,510 ; C14.1 1230,698.79 1230,510 ; L2.2@1247.24,983.23 U9.4@1247.24,1300.98 ; P7.5 1475,191.88 1480,196.88 1480,310 ; C10.2 2596.5,310 ; P8.5 2713.67,196.33 2713.67,266.18 2669.85,310 2596.5,310 ; 1230,510 1295,510 1321.5,483.5 C11.2 1321.5,345.15 1356.64,310 1480,310 ; 1480,310 2596.5,310
VCC_5V_EXT: C5.1 C6.1 L1.2 P1.18 P4.1 P5.5 P6.1 R6.2 R7.2 T1.1 U1.18 U3.1 U6.4 U7.3 | length 8768.2
  Top Layer w40: T1.1 1505,2640 1455,2690 1455,2911.57 1478.43,2935 2071.57,2935 2095,2958.43 P4.1 2295,3035 ; U3.1 2295,3035 ; v1(3065,750) R7.2 3180,696.5 ; P5.5 3240,210 3180,270 3180,696.5 ; R6.2 3180,696.5 ; P6.1 3769.84,3010 3704.84,3075 2360,3075 2320,3035 2295,3035
  Top Layer w65: U6.4 1201.56,2123.43 1224.99,2100 1400,2100 1480,2180 1480,2425 1560.24,2505.24 L1.2
  Top Layer w80: v1(1620,1605) 1725,1605 1861.9,1741.9 1861.9,1970.14 1908.76,2017.01 C6.1 ; C6.1@1910,2010 2153.14,2010 2200,2056.86 2200,2450.12 2153.14,2496.98 2043.36,2496.98 C5.1
  Bottom Layer w80: v1(1620,1605) 1545,1605 1460,1520 1460,1000 1565,895 2380,895 2435,840 U1.18 2975,840 v1(3065,750)
VCCBAT: D7.2 DC1.1 DCIN1.1 K1.3 P9.2 R9.2 | length 964
  Top Layer w40: R9.2 560,336.5 560,510 630,580 630,699.87 569.08,760.78 DC1.1
  Top Layer w45: P9.2 133.43,1400 398.64,1400 425,1373.64 425,1271.03 424.37,1270.4 D7.2
VM: P13.2 U4.1 | length 391.3
  Top Layer w90: P13.2 1571.57,710 1595,686.57 U4.1
pads on no net: K1.1 P5.1 P5.6 U3.5 U3.6 U3.7

## Polygon pours and split planes (outlines as drawn)
GND on Bottom Layer "GND_L02_P019" (solid, remove dead copper, pour order 19): 3825,3150 3905,3070 3905,80 3825,0 80,0 -5,85 -5,3065 80,3150
VCCBAT on Bottom Layer "VCCBAT_L02_P001" (solid, remove dead copper, pour order 1): 70,1320 80,1310 290,1310 440,1160 440,765 515,690 650,690 710,750 710,1195 520,1390 520,1395 520,2575 455,2640 100,2640 45,2585 45,2455 85,2415 295,2415 330,2380 330,1810 80,1810 50,1780 50,1655 80,1625 285,1625 325,1585 325,1520 295,1490 90,1490 50,1450 50,1330
GND on Top Layer "GND_L01_P020" (solid, remove dead copper, pour order 20): 80,3150 3825,3150 3905,3070 3905,80 3825,0 80,0 -5,85 -5,3065
VCC_3.3V on Top Layer "VCC_3.3V_L01_P015" (solid, remove dead copper, pour order 15): 1850,1525 1865,1510 1890,1510 1945,1455 1945,1265 1960,1250 2095,1250 2110,1265 2110,1390 2130,1410 2280,1410 2290,1420 2290,1495 2280,1505 2060,1505 2050,1515 2050,1620 2030,1640 1870,1640 1860,1625 1850,1610
VCC_5V_EXT on Top Layer "VCC_5V_EXT_L01_P013" (solid, remove dead copper, pour order 13): 1595,2650 1575,2630 1575,2455 1610,2420 2115,2420 2155,2460 2155,2600 2120,2635 1755,2635 1705,2685 1615,2685
VCC_5V on Top Layer "VCC_5V_L01_P012" (solid, remove dead copper, pour order 12): 1156.67,1026.67 1195,1065 1475,1065 1500,1040 1500,815 1450,765 1360,765 1320,725 1320,640 1295,615 1165,615 1140,640 1140,885
VCC on Top Layer "VCC_L01_P011" (solid, remove dead copper, pour order 11): 535,1760 575,1720 645,1720 780,1585 930,1585 940,1595 940,1650 920,1670 865,1670 709.55,1825.45 535,1820
VCC on Top Layer "VCC_L01_P005" (solid, remove dead copper, pour order 5): 495,2195 530,2230 770,2230 800,2260 930,2260 960,2290 960,2325 970,2335 1020,2335 1035,2320 1035,2140 1010,2115 510.8,2115 495,2130.8
VCC on Top Layer "VCC_L01_P004" (solid, remove dead copper, pour order 4): 55,1970 55,1855 80,1830 525,1830 535,1820 535,1760 575,1720 675,1720 715,1760 715,2015 655,2075 655,2190 615,2230 530,2230 495,2195 495,2066.61 418.39,1990 75,1990

## Keep-outs
Keep-Out Layer:
  lines w78.74: 0,145 ccw(c140,140) 135,0 3765,0 ccw(c3762.5,142.5) 3905,145 3905,3005 ccw(c3767.5,3012.5) 3775,3150 140,3150 ccw(c140,3010) 0,3010 0,145

## Silkscreen, mask and mechanical layers (free items; w line width, h text height)
Top Overlay:
  lines w10: 3605,3070 3605,2670 3545,2670 3545,2590 3850,2590 3850,3070 3610,3070 ; 625,2870 640,2870 1075,2870 1075,3110 625,3110 625,2870 ; 655,445 ccw(c705,445) 705,395 1150,395 ccw(c1150,445) 1200,445 1200,505 ccw(c1150,505) 1150,555 665,555 ccw(c665,545) 655,545 655,445 ; 1355,2905 1355,3095 1365,3095 2175,3095 2175,2905 1355,2905 ; 1365,550 1365,865 1550,865 1550,560 1540,550 1365,550 ; 1510,2685 1730,2685 1730,2600 2155,2600 2155,2705 2385,2705 2385,2885 1510,2885 1510,2875 1510,2685 ; 1535,425 2355,425 2355,1135 1535,1135 1535,425 ; 2155,2110 ccw(c2205,2110) 2205,2060 2325,2060 ccw(c2325,2080) 2345,2080 2345,2510 ccw(c2335,2510) 2335,2520 2180,2520 ccw(c2180,2495) 2155,2495 2155,2140 2155,2110 ; 2950,280 2950,570 3125,570 3125,280 2950,280 ; 3155,280 3155,570 3180,570 3315,570 3315,280 3155,280
  text "OLED" at 745,3055 h60
  text "HCSR04" at 1370,3010 h60
  text "5V" at 3610,2970 h60
  text "G" at 1775,2910 h50
  text "B6" at 1855,2910 h50
  text "B7" at 1963.85,2910.44 h50
  text "5V" at 2070,2910 h50
  text "G" at 3640,2890 h60
  text "G" at 690,2880 h50
  text "B8" at 868.8,2874.52 h50
  text "B9" at 988.8,2874.52 h50
  text "B0" at 2745,2835 h60
  text "B1" at 3220,2835 h60
  text "A3" at 3620,2785 h60
  text "3.3V" at 825,2745 h50 r90
  text "B5" at 1550,2715 h50
  text "B11" at 1915,2715 h50
  text "B10" at 2045,2715 h50
  text "G" at 2190,2715 h60
  text "5V" at 2265,2710 h60
  text "A2" at 3615,2685 h60
  text "B3" at 2826.19,2616.81 h60
  text "MPU6050" at 1745,2605 h60
  text "UART2" at 3555,2600 h60
  text "B4" at 3225,2560 h60
  text "B12" at 2655,2510 h60
  text "G" at 3605,2500 h60
  text "+" at 325,2468.34 h100
  text "B13" at 2655,2410 h60
  text "G" at 3600,2400 h60
  text "B14" at 2655,2310 h60
  text "3.3" at 3550,2310 h60
  text "-" at 315,2260.02 h100
  text "B15" at 2655,2210 h60
  text "RST" at 3550,2205 h60
  text "A8" at 2675,2105 h60
  text "B11" at 3555,2105 h60
  text "3.3V指示灯" at 2231.3,2080 h100 r90
  text "OFF" at 330,2075 h60 r270
  text "B10" at 3550,2010 h60
  text "A9" at 2675,2005 h60
  text "B1" at 3574.16,1908.76 h60
  text "A10" at 2655.62,1905.61 h60
  text "ON" at 340,1815 h60 r270
  text "A11" at 2655.62,1810.61 h60
  text "B0" at 3576.17,1811.36 h60
  text "A12" at 2655.62,1710.61 h60
  text "A7" at 3575,1710 h60
  text "A15" at 2655,1610 h60
  text "A6" at 3576.17,1601.36 h60
  text "A5" at 3580,1510 h60
  text "B3" at 2680,1507.77 h60
  text "A4" at 3580,1410 h60
  text "B4" at 2680,1407.77 h60
  text "+" at 322.91,1320.73 h100
  text "B5" at 2680,1312.77 h60
  text "A3" at 3580,1310 h60
  text "B6" at 2680,1205 h60
  text "A2" at 3580,1205 h60
  text "-" at 312.91,1112.41 h100
  text "B7" at 2680,1105 h60
  text "A1" at 3580,1105 h60
  text "B8" at 2680,1005 h60
  text "A0" at 3580,1005 h60
  text "C15" at 3550,905 h60
  text "B9" at 2675,900 h60
  text "GND" at 2322.44,874.52 h50 r90
  text "3.3" at 1927.44,869.52 h50 r90
  text "5V" at 1480,850 h40 r270
  text "AIN1" at 1827.44,849.52 h50 r90
  text "BIN1" at 2032.44,849.52 h50 r90
  text "BIN2" at 2127.44,834.52 h50 r90
  text "AIN2" at 1727.44,829.52 h50 r90
  text "PWMB" at 2227.44,819.52 h50 r90
  text "PWMA" at 1622.44,814.52 h50 r90
  text "5V" at 2675,805 h60
  text "C14" at 3550,800 h60
  text "VM" at 1485,755 h40 r270
  text "TB6612" at 1780,740 h60
  text "G" at 2700,720 h60
  text "C13" at 3550,700 h60
  text "VCC" at 1480,665 h40 r270
  text "3.3" at 2650,615 h60
  text "VB" at 3585,600 h60
  text "V" at 1715,565 h50 r90
  text "GND" at 2307.39,561.49 h50 r90
  text "VM" at 1602.44,559.52 h50 r90
  text "G" at 1815,560 h50 r90
  text "AO1" at 1907.44,559.52 h50 r90
  text "AO2" at 2007.44,559.52 h50 r90
  text "BO2" at 2112.44,559.52 h50 r90
  text "BO1" at 2212.44,559.52 h50 r90
  text "5V指示灯" at 760,403.69 h100
  text "A15" at 3017.03,315.98 h60 r90
  text "A12" at 3220,310 h60 r90
  text "G" at 2395,260 h60
  text "G" at 1151.49,250.34 h60
  text "5V" at 2665,250 h60
  text "5V" at 1421.49,245.34 h60
  text "5V" at 3175,175 h60
  text "G" at 3310,175 h60
  text "A9" at 3560,175 h60 r90
  text "A10" at 3455,170 h60 r90
  text "HC-05" at 3780,85 h60 r90
Mechanical 1:
  lines w10: 135,-0.48 cw(c133.6,133.6) 0,145 0,395 0,2757.2 0,3010 cw(c139.64,3010.36) 139.28,3150 375,3150 3524.61,3150 3777.4,3150 cw(c3768.7,3013.7) 3905,3005 3905,2757.2 3905,395 3905,142.2 cw(c3763.15,141.85) 3763.51,0 3524.61,0 375,0 135,0 ; 375,395 395,395
Drill Drawing:
  text ".Legend" at 4200,1724.99 h60

## Dimensions
230,0 to 190,3150 on Mechanical 1
0,175 to 3905,250 on Mechanical 1